# Altium PCB Board.PcbDoc (part 11 of 15)
Units mil, origin at the board's own origin, x right, y up, seen from the top; angles counter-clockwise.
Board outline 6379.64 x 4143.89 mil, 4 copper layers (Top Layer, GND, VCC, Bottom Layer); 316 components, 199 nets, 1077 pads, 596 vias.
Unrouted connection lines stored in the file: 268.
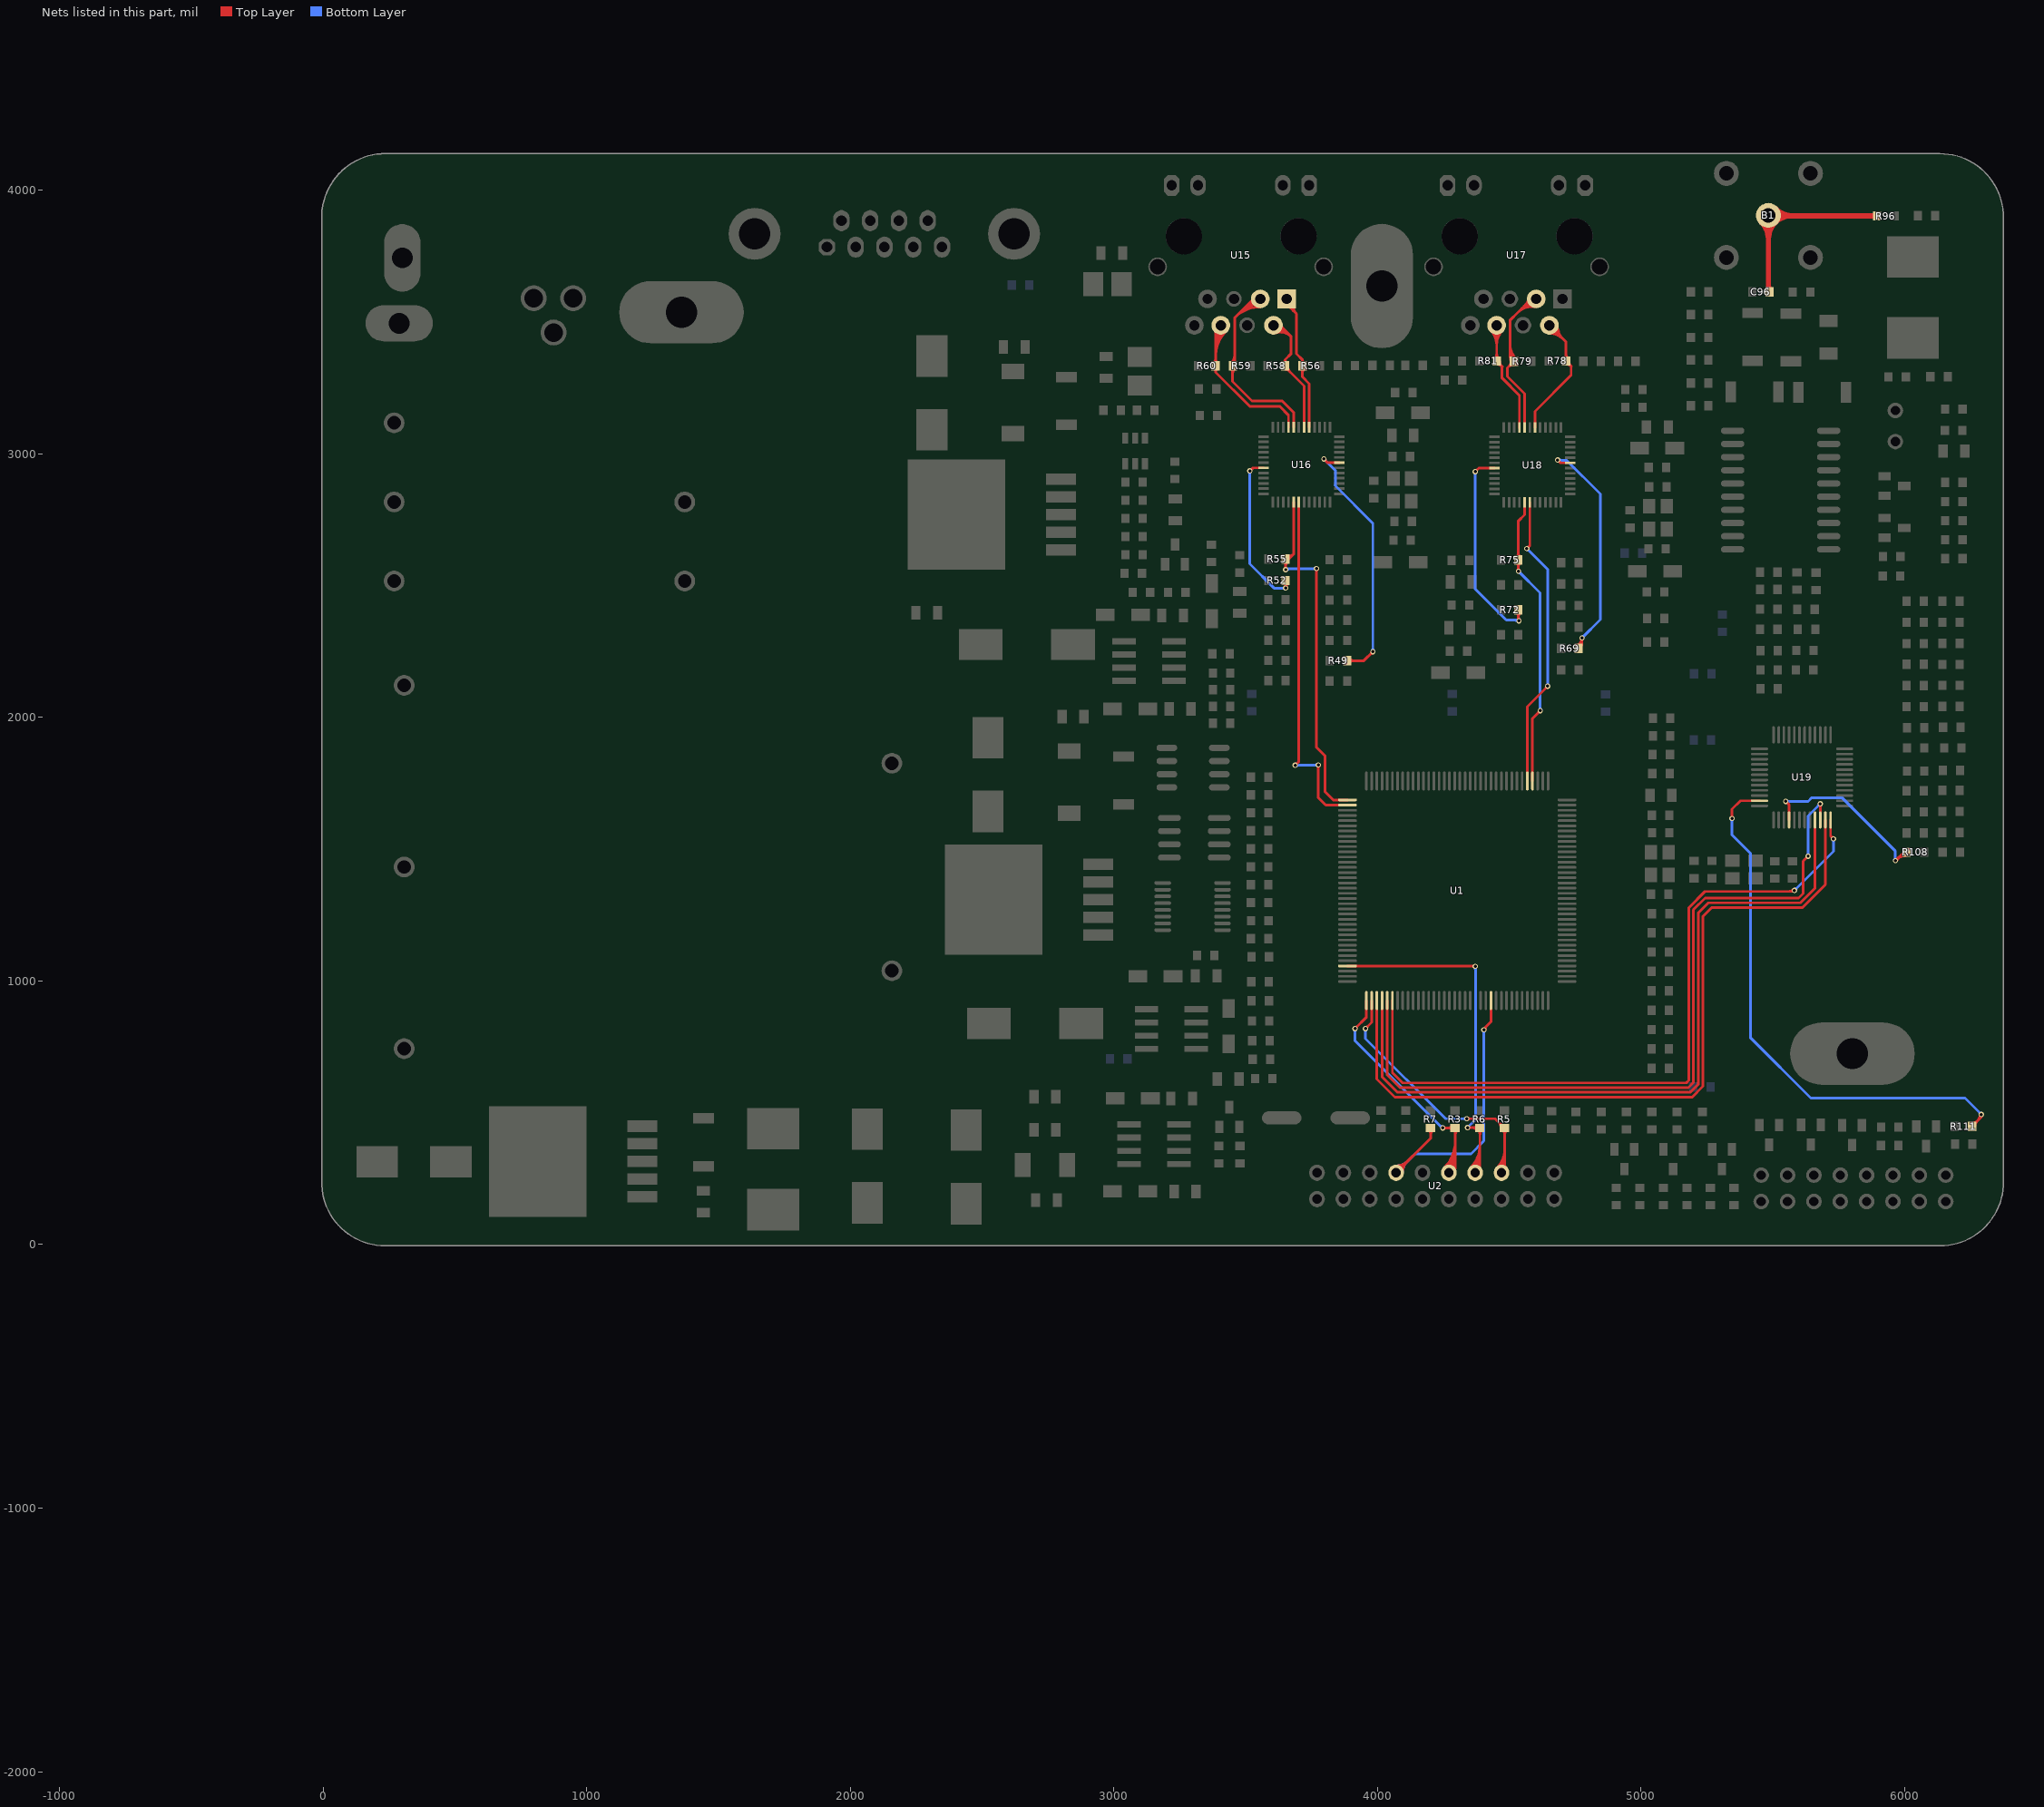
[diagram p12: the nets of this part, all layers, seen from the top]

## Via types
v1: diameter 20, hole 12, Top Layer to Bottom Layer, 590 vias
v2: diameter 30, hole 17, Top Layer to Bottom Layer, 6 vias

## Nets (pads, with @x,y where several pads share a name; then routed paths per layer and width w, separated by ;. In a path a pad name is that pad's centre, name@x,y a point inside that pad or via, vN(x,y) a via of type N, cw(c..) or ccw(c..) an arc to the next point about the centre after c; other vN are vias at no path point) (continued)
RSV1: R49.2 U16.7 | length 1336.3
  Top Layer w10: v1(3796.6,2980.45) 3810.48,2966.56 U16.7@3855.6,2966.56 ; R49.2@3884.75,2215.19 3948.34,2215.19 v1(3982.6,2249.45) ; v1@3796.6,2975.45 cw(c3796.6,2963.38) 3805.13,2971.91 ; v1@3796.6,2975.45 cw(c3796.6,2963.38) 3805.13,2971.91 ; v1@3796.6,2975.45 cw(c3796.6,2963.38) 3805.13,2971.91 ; v1@3801.6,2980.45 ccw(c3813.67,2980.45) 3805.13,2971.91 ; v1@3801.6,2980.45 ccw(c3813.67,2980.45) 3805.13,2971.91 ; v1@3801.6,2980.45 ccw(c3813.67,2980.45) 3805.13,2971.91 ; R49.2@3892.35,2207.59 cw(c3910.7,2189.24) 3910.7,2215.19 ; R49.2@3892.35,2207.59 cw(c3910.7,2189.24) 3910.7,2215.19 ; R49.2@3892.35,2207.59 cw(c3910.7,2189.24) 3910.7,2215.19 ; R49.2@3892.35,2222.79 ccw(c3910.7,2241.14) 3910.7,2215.19 ; R49.2@3892.35,2222.79 ccw(c3910.7,2241.14) 3910.7,2215.19 ; R49.2@3892.35,2222.79 ccw(c3910.7,2241.14) 3910.7,2215.19 ; 3974.06,2240.91 cw(c3982.6,2232.38) v1@3982.6,2244.45 ; 3974.06,2240.91 ccw(c3965.53,2249.45) v1@3977.6,2249.45 ; 3974.06,2240.91 cw(c3982.6,2232.38) v1@3982.6,2244.45 ; 3974.06,2240.91 ccw(c3965.53,2249.45) v1@3977.6,2249.45 ; 3974.06,2240.91 ccw(c3965.53,2249.45) v1@3977.6,2249.45 ; 3974.06,2240.91 cw(c3982.6,2232.38) v1@3982.6,2244.45
  Bottom Layer w10: v1(3796.6,2980.45) 3840.6,2936.45 3840.6,2882.47 3838.6,2880.47 3982.6,2736.45 v1(3982.6,2249.45) ; v1@3796.6,2975.45 cw(c3796.6,2963.38) 3805.13,2971.91 ; v1@3796.6,2975.45 cw(c3796.6,2963.38) 3805.13,2971.91 ; v1@3796.6,2975.45 cw(c3796.6,2963.38) 3805.13,2971.91 ; v1@3801.6,2980.45 ccw(c3813.67,2980.45) 3805.13,2971.91 ; v1@3801.6,2980.45 ccw(c3813.67,2980.45) 3805.13,2971.91 ; v1@3801.6,2980.45 ccw(c3813.67,2980.45) 3805.13,2971.91 ; v1@3979.06,2252.98 ccw(c3970.53,2261.52) 3982.6,2261.52 ; v1@3979.06,2252.98 ccw(c3970.53,2261.52) 3982.6,2261.52 ; v1@3979.06,2252.98 ccw(c3970.53,2261.52) 3982.6,2261.52 ; 3982.6,2261.52 ccw(c3994.67,2261.52) v1@3986.13,2252.98 ; 3982.6,2261.52 ccw(c3994.67,2261.52) v1@3986.13,2252.98 ; 3982.6,2261.52 ccw(c3994.67,2261.52) v1@3986.13,2252.98
RSV2: R69.2 U18.7 | length 1259.6
  Top Layer w10: v1@4683.6,2971.45 cw(c4683.6,2959.38) 4692.13,2967.91 cw(c4700.67,2976.45) v1@4688.6,2976.45 ; v1(4683.6,2976.45) 4694.48,2965.56 U18.7@4731.6,2965.56 ; R69.2@4762.6,2261.85 4775.6,2274.85 v1(4775.6,2301.45) ; v1@4771.27,2298.95 cw(c4760.81,2292.91) 4772.47,2289.79 cw(c4784.13,2286.67) v1@4778.1,2297.12 ; R69.2@4757.97,2273.52 ccw(c4744.66,2301.45) v1(4775.6,2301.45) ; R69.2@4757.97,2273.52 ccw(c4744.66,2301.45) v1(4775.6,2301.45) ; R69.2@4757.97,2273.52 ccw(c4744.66,2301.45) v1(4775.6,2301.45) ; R69.2@4762.28,2264.49 ccw(c4752.21,2285.6) 4775.6,2285.6 ; R69.2@4762.28,2264.49 ccw(c4752.21,2285.6) 4775.6,2285.6 ; R69.2@4762.28,2264.49 ccw(c4752.21,2285.6) 4775.6,2285.6 ; v1@4772.06,2297.91 cw(c4763.53,2289.38) 4775.6,2289.38 ; v1@4772.06,2297.91 cw(c4763.53,2289.38) 4775.6,2289.38 ; v1@4772.06,2297.91 cw(c4763.53,2289.38) 4775.6,2289.38 ; 4775.6,2289.38 cw(c4787.67,2289.38) v1@4779.13,2297.91 ; 4775.6,2289.38 cw(c4787.67,2289.38) v1@4779.13,2297.91 ; 4775.6,2289.38 cw(c4787.67,2289.38) v1@4779.13,2297.91
  Bottom Layer w10: v1(4683.6,2976.45) 4684.6,2975.45 4717.6,2975.45 4845.6,2847.45 4845.6,2371.45 v1(4775.6,2301.45) ; v1@4687.13,2979.98 ccw(c4698.08,2990.93) 4698.08,2975.45 ; v1@4687.13,2979.98 ccw(c4698.08,2990.93) 4698.08,2975.45 ; v1@4687.13,2979.98 ccw(c4698.08,2990.93) 4698.08,2975.45 ; v1@4775.6,2306.45 ccw(c4775.6,2318.52) 4784.13,2309.98 ; v1@4775.6,2306.45 ccw(c4775.6,2318.52) 4784.13,2309.98 ; v1@4775.6,2306.45 ccw(c4775.6,2318.52) 4784.13,2309.98 ; v1@4780.6,2301.45 cw(c4792.67,2301.45) 4784.13,2309.98 ; v1@4780.6,2301.45 cw(c4792.67,2301.45) 4784.13,2309.98 ; v1@4780.6,2301.45 cw(c4792.67,2301.45) 4784.13,2309.98
RX1_N: R60.1 U15.6 U16.21 | length 1783.5
  Top Layer w10: U15.6@3405.35,3487.8 3385.6,3468.04 R60.1@3385.6,3334.01 3386.6,3333.01 3386.6,3309.45 ; U16.21@3662.39,3100.72 3662.39,3146.66 3628.6,3180.45 3515.6,3180.45 3386.6,3309.45 ; R60.1@3378,3343.58 ccw(c3359.65,3361.92) 3385.6,3361.92 ; R60.1@3378,3343.58 ccw(c3359.65,3361.92) 3385.6,3361.92 ; R60.1@3378,3343.58 ccw(c3359.65,3361.92) 3385.6,3361.92 ; R60.1@3379.42,3323.24 cw(c3369.71,3309.43) 3386.6,3309.43 ; R60.1@3379.42,3323.24 cw(c3369.71,3309.43) 3386.6,3309.43 ; R60.1@3379.42,3323.24 cw(c3369.71,3309.43) 3386.6,3309.43 ; 3385.6,3361.92 ccw(c3411.55,3361.92) R60.1@3393.2,3343.58 ; 3385.6,3361.92 ccw(c3411.55,3361.92) R60.1@3393.2,3343.58 ; 3385.6,3361.92 ccw(c3411.55,3361.92) R60.1@3393.2,3343.58 ; 3385.6,3366.63 cw(c3526.52,3366.63) U15.6@3426.87,3466.28 ; 3385.6,3366.63 cw(c3526.52,3366.63) U15.6@3426.87,3466.28 ; 3385.6,3366.63 cw(c3526.52,3366.63) U15.6@3426.87,3466.28 ; 3385.6,3390.77 cw(c3502.38,3390.77) U15.6@3419.8,3473.35 ; 3385.6,3390.77 cw(c3502.38,3390.77) U15.6@3419.8,3473.35 ; 3385.6,3390.77 cw(c3502.38,3390.77) U15.6@3419.8,3473.35 ; 3385.6,3414.91 cw(c3478.24,3414.91) U15.6@3412.73,3480.42 ; 3385.6,3414.91 cw(c3478.24,3414.91) U15.6@3412.73,3480.42 ; 3385.6,3414.91 cw(c3478.24,3414.91) U15.6@3412.73,3480.42 ; 3385.6,3439.05 cw(c3454.1,3439.05) U15.6@3405.66,3487.49 ; 3385.6,3439.05 cw(c3454.1,3439.05) U15.6@3405.66,3487.49 ; 3385.6,3439.05 cw(c3454.1,3439.05) U15.6@3405.66,3487.49 ; 3386.6,3309.43 cw(c3406.95,3309.43) R60.1@3392.98,3324.22 ; 3386.6,3309.43 cw(c3406.95,3309.43) R60.1@3392.98,3324.22 ; 3386.6,3309.43 cw(c3406.95,3309.43) R60.1@3392.98,3324.22
RX1_P: R59.1 U15.3 U16.20 | length 1923.4
  Top Layer w10: R59.1@3449.6,3320.45 3449.6,3274.73 3523.88,3200.45 3638.6,3200.45 3682.07,3156.98 U16.20@3682.07,3100.72 ; R59.1@3451.7,3333.45 3458.6,3340.35 3458.6,3516.45 3529.95,3587.8 U15.3@3555.35,3587.8 ; R59.1@3444.1,3323.88 cw(c3430.82,3310.6) 3449.6,3310.6 ; R59.1@3444.1,3323.88 cw(c3430.82,3310.6) 3449.6,3310.6 ; R59.1@3444.1,3323.88 cw(c3430.82,3310.6) 3449.6,3310.6 ; R59.1@3444.1,3343.02 ccw(c3409.09,3378.02) 3458.6,3378.02 ; R59.1@3444.1,3343.02 ccw(c3409.09,3378.02) 3458.6,3378.02 ; R59.1@3444.1,3343.02 ccw(c3409.09,3378.02) 3458.6,3378.02 ; 3449.6,3300.46 cw(c3482.72,3300.46) R59.1@3459.3,3323.88 ; 3449.6,3300.46 cw(c3482.72,3300.46) R59.1@3459.3,3323.88 ; 3449.6,3300.46 cw(c3482.72,3300.46) R59.1@3459.3,3323.88 ; R59.1@3451.17,3335.95 ccw(c3433.23,3353.88) 3458.6,3353.88 ; R59.1@3451.17,3335.95 ccw(c3433.23,3353.88) 3458.6,3353.88 ; R59.1@3451.17,3335.95 ccw(c3433.23,3353.88) 3458.6,3353.88 ; 3460.03,3517.88 cw(c3555.35,3422.55) U15.3@3555.35,3557.36 ; 3460.03,3517.88 cw(c3555.35,3422.55) U15.3@3555.35,3557.36 ; 3460.03,3517.88 cw(c3555.35,3422.55) U15.3@3555.35,3557.36 ; 3477.1,3534.95 cw(c3555.35,3456.69) U15.3@3555.35,3567.36 ; 3477.1,3534.95 cw(c3555.35,3456.69) U15.3@3555.35,3567.36 ; 3477.1,3534.95 cw(c3555.35,3456.69) U15.3@3555.35,3567.36 ; 3494.17,3552.02 cw(c3555.35,3490.83) U15.3@3555.35,3577.36 ; 3494.17,3552.02 cw(c3555.35,3490.83) U15.3@3555.35,3577.36 ; 3494.17,3552.02 cw(c3555.35,3490.83) U15.3@3555.35,3577.36 ; 3511.24,3569.09 cw(c3555.35,3524.98) U15.3@3555.35,3587.36 ; 3511.24,3569.09 cw(c3555.35,3524.98) U15.3@3555.35,3587.36 ; 3511.24,3569.09 cw(c3555.35,3524.98) U15.3@3555.35,3587.36
RX2_N: R81.1 U17.6 U18.21 | length 1244
  Top Layer w10: U17.6@4452.09,3487.8 4452.17,3487.71 R81.1@4452.17,3352.01 4472.6,3331.58 ; R81.1@4452.66,3339.3 cw(c4453.88,3312.86) 4472.6,3331.58 ; U18.21@4538.39,3099.72 4538.39,3221.38 4472.6,3287.16 4472.6,3331.58 ; U17.6@4430.57,3466.28 cw(c4378.42,3414.13) 4452.17,3414.13 ; U17.6@4430.57,3466.28 cw(c4378.42,3414.13) 4452.17,3414.13 ; U17.6@4430.57,3466.28 cw(c4378.42,3414.13) 4452.17,3414.13 ; U17.6@4437.64,3473.35 cw(c4402.56,3438.27) 4452.17,3438.27 ; U17.6@4437.64,3473.35 cw(c4402.56,3438.27) 4452.17,3438.27 ; U17.6@4437.64,3473.35 cw(c4402.56,3438.27) 4452.17,3438.27 ; R81.1@4444.57,3361.58 ccw(c4426.22,3379.92) 4452.17,3379.92 ; R81.1@4444.57,3361.58 ccw(c4426.22,3379.92) 4452.17,3379.92 ; R81.1@4444.57,3361.58 ccw(c4426.22,3379.92) 4452.17,3379.92 ; 4452.17,3379.92 ccw(c4478.12,3379.92) R81.1@4459.77,3361.58 ; 4452.17,3379.92 ccw(c4478.12,3379.92) R81.1@4459.77,3361.58 ; 4452.17,3379.92 ccw(c4478.12,3379.92) R81.1@4459.77,3361.58 ; 4452.17,3414.52 cw(c4525.36,3414.52) U17.6@4473.61,3466.28 ; 4452.17,3414.52 cw(c4525.36,3414.52) U17.6@4473.61,3466.28 ; 4452.17,3414.52 cw(c4525.36,3414.52) U17.6@4473.61,3466.28 ; 4452.17,3438.66 cw(c4501.22,3438.66) U17.6@4466.54,3473.35 ; 4452.17,3438.66 cw(c4501.22,3438.66) U17.6@4466.54,3473.35 ; 4452.17,3438.66 cw(c4501.22,3438.66) U17.6@4466.54,3473.35 ; R81.1@4462.92,3350.04 ccw(c4484.11,3350.04) 4469.12,3335.05 ; R81.1@4462.92,3350.04 ccw(c4484.11,3350.04) 4469.12,3335.05 ; R81.1@4462.92,3350.04 ccw(c4484.11,3350.04) 4469.12,3335.05 ; R81.1@4452.28,3339.29 cw(c4452.58,3309.59) 4473.58,3330.59 ccw(c4452.58,3309.59) R81.1@4452.28,3339.29
RX2_P: R79.1 U17.3 U18.20 | length 1544
  Top Layer w10: 4546.4,3550.25 cw(c4589.91,3506.73) U17.3@4599.05,3567.59 ; U18.20@4558.07,3099.72 4558.07,3227.98 4492.6,3293.45 4492.6,3326.16 R79.1@4517.89,3351.45 4517.89,3352.16 4503.6,3366.45 4503.6,3507.8 4532.03,3536.23 4532.38,3536.23 ; 4560.41,3564.26 cw(c4593.57,3531.11) U17.3@4600.54,3577.48 ; U17.3@4597.57,3557.7 ccw(c4586.25,3482.36) 4532.38,3536.23 ; U17.3@4602.09,3587.8 4583.95,3587.8 4532.38,3536.23 ; 4496.18,3329.74 cw(c4517.89,3308.03) R79.1@4517.89,3338.73 ; 4496.18,3329.74 cw(c4517.89,3308.03) R79.1@4517.89,3338.73 ; 4496.18,3329.74 cw(c4517.89,3308.03) R79.1@4517.89,3338.73 ; 4500.93,3334.49 ccw(c4485.94,3349.48) R79.1@4507.14,3349.48 ; 4500.93,3334.49 ccw(c4485.94,3349.48) R79.1@4507.14,3349.48 ; 4500.93,3334.49 ccw(c4485.94,3349.48) R79.1@4507.14,3349.48 ; R79.1@4503.6,3365.58 ccw(c4530.05,3365.58) R79.1@4511.35,3346.88 ; R79.1@4503.6,3365.58 ccw(c4530.05,3365.58) R79.1@4511.35,3346.88 ; R79.1@4503.6,3365.58 ccw(c4530.05,3365.58) R79.1@4511.35,3346.88 ; 4503.6,3389.72 ccw(c4554.19,3389.72) R79.1@4518.42,3353.95 ; 4503.6,3389.72 ccw(c4554.19,3389.72) R79.1@4518.42,3353.95 ; 4503.6,3389.72 ccw(c4554.19,3389.72) R79.1@4518.42,3353.95 ; 4503.6,3413.86 ccw(c4578.33,3413.86) R79.1@4525.49,3361.02 ; 4503.6,3413.86 ccw(c4578.33,3413.86) R79.1@4525.49,3361.02 ; 4503.6,3413.86 ccw(c4578.33,3413.86) R79.1@4525.49,3361.02 ; 4562.96,3566.81 ccw(c4541.98,3587.8) U17.3@4571.65,3587.8 ; 4562.96,3566.81 ccw(c4541.98,3587.8) U17.3@4571.65,3587.8 ; 4562.96,3566.81 ccw(c4541.98,3587.8) U17.3@4571.65,3587.8 ; 4539.42,3543.28 cw(c4597.79,3484.91) 4601.23,3567.38 ccw(c4597.79,3484.91) 4539.42,3543.28 ; 4555.54,3559.39 cw(c4599.08,3515.84) 4601.65,3577.37 ccw(c4599.08,3515.84) 4555.54,3559.39
RX_LED: R111.1 U19.23 | length 2448.3
  Top Layer w10: v1(5344.6,1616.45) 5344.6,1651.45 5377.02,1683.87 U19.23@5449.18,1683.87 ; R111.1@6255.6,448.45 6290.6,483.45 v1(6290.6,493.45) ; v1@5341.06,1619.98 ccw(c5332.53,1628.52) 5344.6,1628.52 ; v1@5341.06,1619.98 ccw(c5332.53,1628.52) 5344.6,1628.52 ; v1@5341.06,1619.98 ccw(c5332.53,1628.52) 5344.6,1628.52 ; 5344.6,1628.52 ccw(c5356.67,1628.52) v1@5348.13,1619.98 ; 5344.6,1628.52 ccw(c5356.67,1628.52) v1@5348.13,1619.98 ; 5344.6,1628.52 ccw(c5356.67,1628.52) v1@5348.13,1619.98 ; R111.1@6255.6,461.17 ccw(c6255.6,491.87) 6277.31,470.16 ; R111.1@6255.6,461.17 ccw(c6255.6,491.87) 6277.31,470.16 ; R111.1@6255.6,461.17 ccw(c6255.6,491.87) 6277.31,470.16 ; R111.1@6266.35,450.42 cw(c6287.54,450.42) 6272.55,465.4 ; R111.1@6266.35,450.42 cw(c6287.54,450.42) 6272.55,465.4 ; R111.1@6266.35,450.42 cw(c6287.54,450.42) 6272.55,465.4 ; 6274.99,467.84 ccw(c6249.39,493.45) v1@6285.6,493.45 ; 6274.99,467.84 ccw(c6249.39,493.45) v1@6285.6,493.45 ; 6274.99,467.84 ccw(c6249.39,493.45) v1@6285.6,493.45
  Bottom Layer w10: v1(5344.6,1616.45) 5344.6,1554.45 5415.6,1483.45 5415.6,783.45 5643.6,555.45 6228.6,555.45 v1(6290.6,493.45) ; v1@5341.06,1612.91 cw(c5332.53,1604.38) 5344.6,1604.38 ; v1@5341.06,1612.91 cw(c5332.53,1604.38) 5344.6,1604.38 ; v1@5341.06,1612.91 cw(c5332.53,1604.38) 5344.6,1604.38 ; 5344.6,1604.38 cw(c5356.67,1604.38) v1@5348.13,1612.91 ; 5344.6,1604.38 cw(c5356.67,1604.38) v1@5348.13,1612.91 ; 5344.6,1604.38 cw(c5356.67,1604.38) v1@5348.13,1612.91 ; 6282.06,501.98 cw(c6273.53,493.45) v1@6285.6,493.45 ; 6282.06,501.98 ccw(c6290.6,510.52) v1@6290.6,498.45 ; 6282.06,501.98 cw(c6273.53,493.45) v1@6285.6,493.45 ; 6282.06,501.98 ccw(c6290.6,510.52) v1@6290.6,498.45 ; 6282.06,501.98 ccw(c6290.6,510.52) v1@6290.6,498.45 ; 6282.06,501.98 cw(c6273.53,493.45) v1@6285.6,493.45
SCLK1: U1.74 U16.42 | length 1523
  Top Layer w10: v1(3687.6,1818.45) 3701.76,1832.61 U16.42@3701.76,2816.72 ; v1@3774.6,1816.45 3774.6,1696.45 3803.8,1667.25 U1.74@3886.26,1667.25 ; v1@3687.6,1823.45 ccw(c3687.6,1835.52) 3696.13,1826.98 ; v1@3687.6,1823.45 ccw(c3687.6,1835.52) 3696.13,1826.98 ; v1@3687.6,1823.45 ccw(c3687.6,1835.52) 3696.13,1826.98 ; v1@3692.6,1818.45 cw(c3704.67,1818.45) 3696.13,1826.98 ; v1@3692.6,1818.45 cw(c3704.67,1818.45) 3696.13,1826.98 ; v1@3692.6,1818.45 cw(c3704.67,1818.45) 3696.13,1826.98 ; 3774.6,1804.96 cw(c3790.08,1804.96) v1@3779.13,1815.91 ; 3774.6,1804.96 cw(c3790.08,1804.96) v1@3779.13,1815.91 ; 3774.6,1804.96 cw(c3790.08,1804.96) v1@3779.13,1815.91
  Bottom Layer w10: v1(3687.6,1818.45) 3688.6,1819.45 v1(3775.6,1819.45) ; v1@3691.13,1814.91 cw(c3702.08,1803.96) 3702.08,1819.45 ; v1@3691.13,1814.91 cw(c3702.08,1803.96) 3702.08,1819.45 ; v1@3691.13,1814.91 cw(c3702.08,1803.96) 3702.08,1819.45 ; 3763.53,1819.45 cw(c3763.53,1807.38) v1@3772.06,1815.91 ; 3763.53,1819.45 ccw(c3763.53,1831.52) v1@3772.06,1822.98 ; 3763.53,1819.45 cw(c3763.53,1807.38) v1@3772.06,1815.91 ; 3763.53,1819.45 ccw(c3763.53,1831.52) v1@3772.06,1822.98 ; 3763.53,1819.45 ccw(c3763.53,1831.52) v1@3772.06,1822.98 ; 3763.53,1819.45 cw(c3763.53,1807.38) v1@3772.06,1815.91
SCLK2: U1.41 U18.42 | length 1315.9
  Top Layer w10: v1(4566.6,2640.45) 4577.76,2651.61 U18.42@4577.76,2815.72 ; v1@4566.6,2645.45 ccw(c4566.6,2657.52) 4575.13,2648.98 ccw(c4583.67,2640.45) v1@4571.6,2640.45 ; U1.41@4568.35,1758.79 4568.35,2041.2 v1(4645.6,2118.45) ; 4637.06,2109.91 cw(c4645.6,2101.38) v1@4645.6,2113.45 ; 4637.06,2109.91 ccw(c4628.53,2118.45) v1@4640.6,2118.45 ; 4637.06,2109.91 cw(c4645.6,2101.38) v1@4645.6,2113.45 ; 4637.06,2109.91 ccw(c4628.53,2118.45) v1@4640.6,2118.45 ; 4637.06,2109.91 ccw(c4628.53,2118.45) v1@4640.6,2118.45 ; 4637.06,2109.91 cw(c4645.6,2101.38) v1@4645.6,2113.45
  Bottom Layer w10: v1(4566.6,2640.45) 4645.6,2561.45 v1(4645.6,2118.45) ; v1@4566.6,2635.45 cw(c4566.6,2623.38) 4575.13,2631.91 ; v1@4566.6,2635.45 cw(c4566.6,2623.38) 4575.13,2631.91 ; v1@4566.6,2635.45 cw(c4566.6,2623.38) 4575.13,2631.91 ; v1@4571.6,2640.45 ccw(c4583.67,2640.45) 4575.13,2631.91 ; v1@4571.6,2640.45 ccw(c4583.67,2640.45) 4575.13,2631.91 ; v1@4571.6,2640.45 ccw(c4583.67,2640.45) 4575.13,2631.91 ; v1@4642.06,2121.98 ccw(c4633.53,2130.52) 4645.6,2130.52 ; v1@4642.06,2121.98 ccw(c4633.53,2130.52) 4645.6,2130.52 ; v1@4642.06,2121.98 ccw(c4633.53,2130.52) 4645.6,2130.52 ; 4645.6,2130.52 ccw(c4657.67,2130.52) v1@4649.13,2121.98 ; 4645.6,2130.52 ccw(c4657.67,2130.52) v1@4649.13,2121.98 ; 4645.6,2130.52 ccw(c4657.67,2130.52) v1@4649.13,2121.98
SCS1: R55.2 U1.73 U16.41 | length 1793.7
  Top Layer w10: v1(3651.6,2560.45) R55.2@3651.6,2600.45 ; R55.2@3662.6,2600.45 3682.07,2619.92 ; U16.41@3682.07,2816.72 3682.07,2619.92 ; v1(3768.6,2564.45) 3768.6,1886.45 3801.6,1853.45 3801.6,1717.45 3832.11,1686.94 U1.73@3886.26,1686.94 ; R55.2@3644,2590.88 cw(c3625.65,2572.53) 3651.6,2572.53 ; R55.2@3644,2590.88 cw(c3625.65,2572.53) 3651.6,2572.53 ; R55.2@3644,2590.88 cw(c3625.65,2572.53) 3651.6,2572.53 ; v1@3648.06,2563.98 ccw(c3639.53,2572.52) 3651.6,2572.52 ; v1@3648.06,2563.98 ccw(c3639.53,2572.52) 3651.6,2572.52 ; v1@3648.06,2563.98 ccw(c3639.53,2572.52) 3651.6,2572.52 ; 3651.6,2572.52 ccw(c3663.67,2572.52) v1@3655.13,2563.98 ; 3651.6,2572.52 ccw(c3663.67,2572.52) v1@3655.13,2563.98 ; 3651.6,2572.52 ccw(c3663.67,2572.52) v1@3655.13,2563.98 ; 3651.6,2572.53 cw(c3677.55,2572.53) R55.2@3659.2,2590.88 ; 3651.6,2572.53 cw(c3677.55,2572.53) R55.2@3659.2,2590.88 ; 3651.6,2572.53 cw(c3677.55,2572.53) R55.2@3659.2,2590.88 ; 3682.07,2619.92 cw(c3662.2,2639.79) 3654.53,2612.76 ccw(c3662.2,2639.79) 3682.07,2619.92 ; v1@3765.06,2560.91 cw(c3756.53,2552.38) 3768.6,2552.38 ; v1@3765.06,2560.91 cw(c3756.53,2552.38) 3768.6,2552.38 ; v1@3765.06,2560.91 cw(c3756.53,2552.38) 3768.6,2552.38 ; 3768.6,2552.38 cw(c3780.67,2552.38) v1@3772.13,2560.91 ; 3768.6,2552.38 cw(c3780.67,2552.38) v1@3772.13,2560.91 ; 3768.6,2552.38 cw(c3780.67,2552.38) v1@3772.13,2560.91 ; R55.2@3651.8,2603.14 ccw(c3656.88,2621.03) 3670.03,2607.88 cw(c3656.88,2621.03) R55.2@3651.8,2603.14
  Bottom Layer w10: v1(3651.6,2560.45) 3655.6,2564.45 v1(3768.6,2564.45) ; v1@3655.13,2556.91 cw(c3673.33,2538.72) 3673.33,2564.45 ; v1@3655.13,2556.91 cw(c3673.33,2538.72) 3673.33,2564.45 ; v1@3655.13,2556.91 cw(c3673.33,2538.72) 3673.33,2564.45 ; 3756.53,2564.45 cw(c3756.53,2552.38) v1@3765.06,2560.91 ; 3756.53,2564.45 ccw(c3756.53,2576.52) v1@3765.06,2567.98 ; 3756.53,2564.45 cw(c3756.53,2552.38) v1@3765.06,2560.91 ; 3756.53,2564.45 ccw(c3756.53,2576.52) v1@3765.06,2567.98 ; 3756.53,2564.45 ccw(c3756.53,2576.52) v1@3765.06,2567.98 ; 3756.53,2564.45 cw(c3756.53,2552.38) v1@3765.06,2560.91
SCS2: R75.2 U1.40 U18.41 | length 1566.6
  Top Layer w10: v1(4534.6,2554.45) R75.2@4534.6,2597.45 4534.6,2745.45 4558.07,2768.92 U18.41@4558.07,2815.72 ; U1.40@4588.03,1758.79 4588.03,1995.88 v1(4617.6,2025.45) v1@4617.6,2027.45 ; R75.2@4527,2587.88 cw(c4508.65,2569.53) 4534.6,2569.53 ; R75.2@4527,2587.88 cw(c4508.65,2569.53) 4534.6,2569.53 ; R75.2@4527,2587.88 cw(c4508.65,2569.53) 4534.6,2569.53 ; R75.2@4527,2607.02 ccw(c4508.65,2625.37) 4534.6,2625.37 ; R75.2@4527,2607.02 ccw(c4508.65,2625.37) 4534.6,2625.37 ; R75.2@4527,2607.02 ccw(c4508.65,2625.37) 4534.6,2625.37 ; v1@4531.06,2557.98 ccw(c4522.53,2566.52) 4534.6,2566.52 ; v1@4531.06,2557.98 ccw(c4522.53,2566.52) 4534.6,2566.52 ; v1@4531.06,2557.98 ccw(c4522.53,2566.52) 4534.6,2566.52 ; 4534.6,2566.52 ccw(c4546.67,2566.52) v1@4538.13,2557.98 ; 4534.6,2566.52 ccw(c4546.67,2566.52) v1@4538.13,2557.98 ; 4534.6,2566.52 ccw(c4546.67,2566.52) v1@4538.13,2557.98 ; 4534.6,2569.53 cw(c4560.55,2569.53) R75.2@4542.2,2587.88 ; 4534.6,2569.53 cw(c4560.55,2569.53) R75.2@4542.2,2587.88 ; 4534.6,2569.53 cw(c4560.55,2569.53) R75.2@4542.2,2587.88 ; 4534.6,2625.37 ccw(c4560.55,2625.37) R75.2@4542.2,2607.02 ; 4534.6,2625.37 ccw(c4560.55,2625.37) R75.2@4542.2,2607.02 ; 4534.6,2625.37 ccw(c4560.55,2625.37) R75.2@4542.2,2607.02 ; 4609.06,2016.91 cw(c4617.6,2008.38) v1@4617.6,2020.45 ; 4609.06,2016.91 ccw(c4600.53,2025.45) v1@4612.6,2025.45 ; 4609.06,2016.91 cw(c4617.6,2008.38) v1@4617.6,2020.45 ; 4609.06,2016.91 ccw(c4600.53,2025.45) v1@4612.6,2025.45 ; 4609.06,2016.91 ccw(c4600.53,2025.45) v1@4612.6,2025.45 ; 4609.06,2016.91 cw(c4617.6,2008.38) v1@4617.6,2020.45
  Bottom Layer w10: v1(4534.6,2554.45) 4616.6,2472.45 v1@4616.6,2027.45 ; v1(4617.6,2025.45) v1@4617.6,2027.45 ; v1@4534.6,2549.45 cw(c4534.6,2537.38) 4543.13,2545.91 ; v1@4534.6,2549.45 cw(c4534.6,2537.38) 4543.13,2545.91 ; v1@4534.6,2549.45 cw(c4534.6,2537.38) 4543.13,2545.91 ; v1@4539.6,2554.45 ccw(c4551.67,2554.45) 4543.13,2545.91 ; v1@4539.6,2554.45 ccw(c4551.67,2554.45) 4543.13,2545.91 ; v1@4539.6,2554.45 ccw(c4551.67,2554.45) 4543.13,2545.91 ; 4616.6,2039.93 ccw(c4632.08,2039.93) v1@4621.13,2028.98 ; 4616.6,2039.93 ccw(c4632.08,2039.93) v1@4621.13,2028.98 ; 4616.6,2039.93 ccw(c4632.08,2039.93) v1@4621.13,2028.98